# KiCad board ENV_KB_RGB.kicad_pcb (continued)
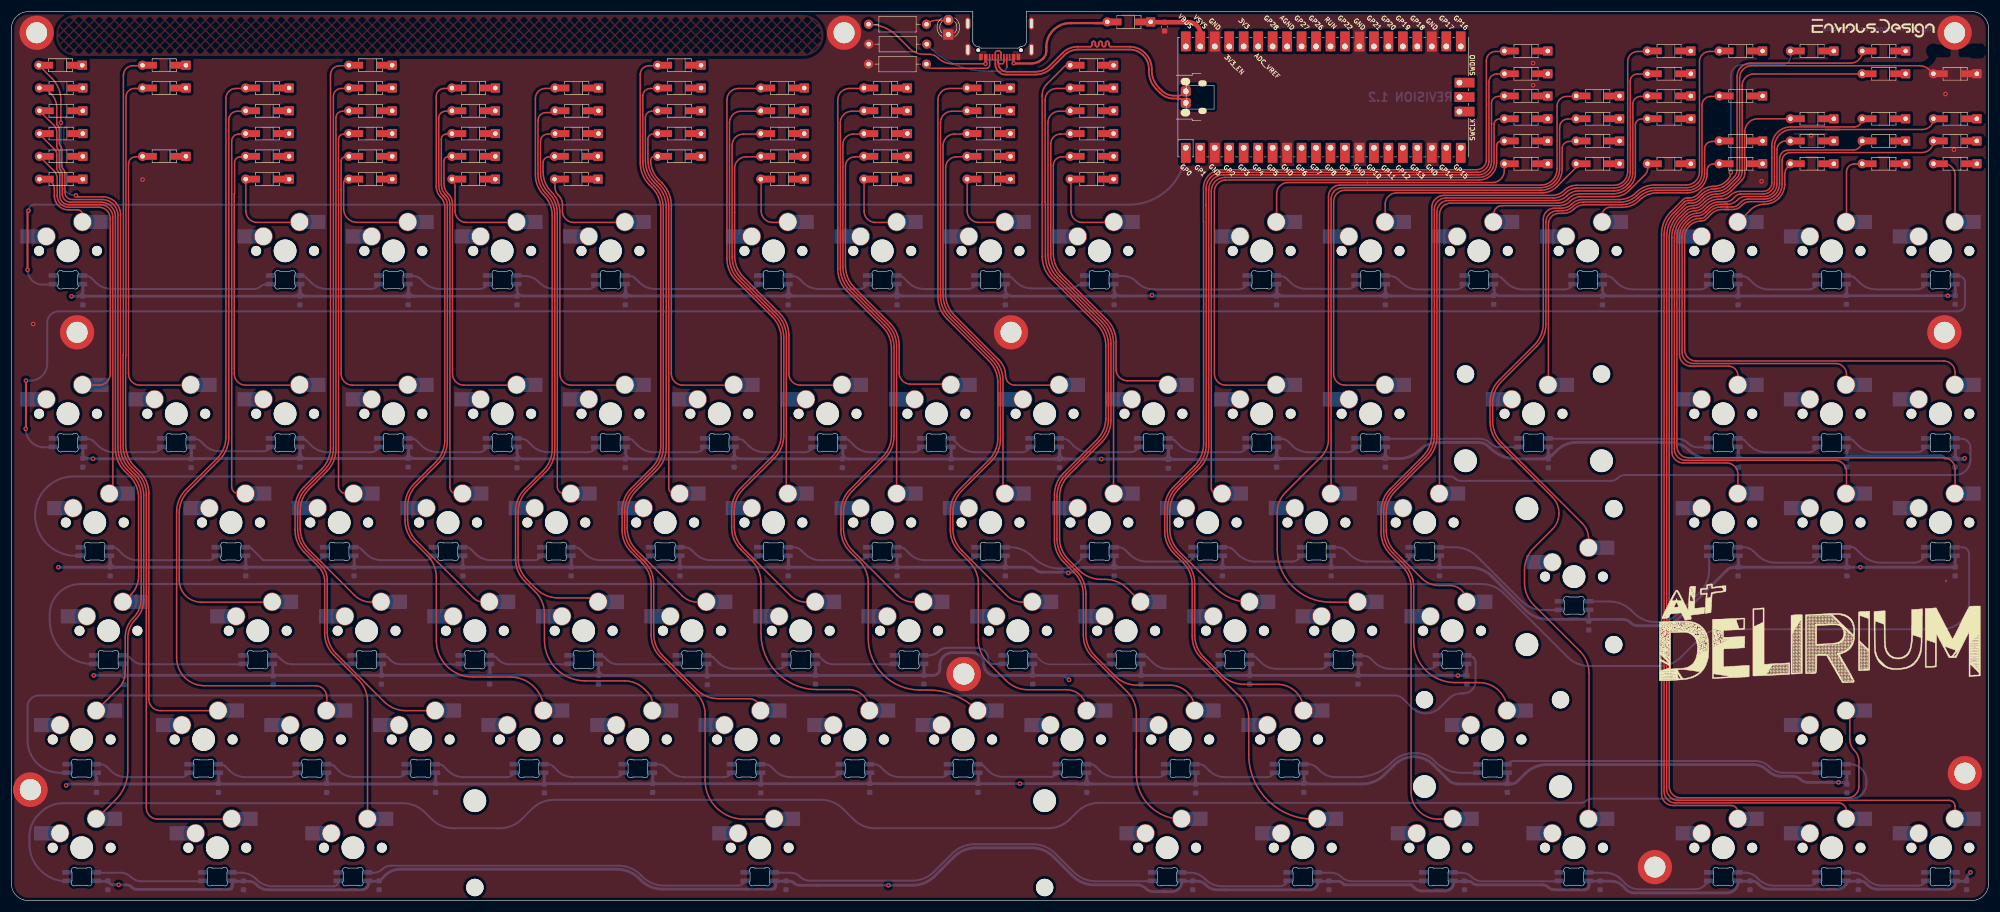
[diagram p0: board, top side]
## Placement (name value [footprint] x y rotation side) (continued)
LED55  SK6812MINI-E  [MX_SK6812MINI-E_REV]  100.43 47.38 0 top
LED56  SK6812MINI-E  [MX_SK6812MINI-E_REV]  119.43 47.38 0 top
LED57  SK6812MINI-E  [MX_SK6812MINI-E_REV]  138.53 47.38 0 top
LED58  SK6812MINI-E  [MX_SK6812MINI-E_REV]  157.53 47.38 0 top
LED59  SK6812MINI-E  [MX_SK6812MINI-E_REV]  176.63 47.38 0 top
LED60  SK6812MINI-E  [MX_SK6812MINI-E_REV]  195.63 47.38 0 top
LED61  SK6812MINI-E  [MX_SK6812MINI-E_REV]  214.73 47.38 0 top
LED62  SK6812MINI-E  [MX_SK6812MINI-E_REV]  233.73 47.38 0 top
LED63  SK6812MINI-E  [MX_SK6812MINI-E_REV]  252.83 47.38 0 top
LED64  SK6812MINI-E  [MX_SK6812MINI-E_REV]  12.33 28.28 0 top
LED65  SK6812MINI-E  [MX_SK6812MINI-E_REV]  33.73 28.28 0 top
LED66  SK6812MINI-E  [MX_SK6812MINI-E_REV]  52.73 28.28 0 top
LED67  SK6812MINI-E  [MX_SK6812MINI-E_REV]  71.83 28.28 0 top
LED68  SK6812MINI-E  [MX_SK6812MINI-E_REV]  90.83 28.28 0 top
LED69  SK6812MINI-E  [MX_SK6812MINI-E_REV]  109.93 28.28 0 top
LED70  SK6812MINI-E  [MX_SK6812MINI-E_REV]  128.93 28.28 0 top
LED71  SK6812MINI-E  [MX_SK6812MINI-E_REV]  148.03 28.28 0 top
LED72  SK6812MINI-E  [MX_SK6812MINI-E_REV]  167.03 28.28 0 top
LED73  SK6812MINI-E  [MX_SK6812MINI-E_REV]  186.13 28.28 0 top
LED74  SK6812MINI-E  [MX_SK6812MINI-E_REV]  205.13 28.28 0 top
LED75  SK6812MINI-E  [MX_SK6812MINI-E_REV]  224.23 28.28 0 top
LED76  SK6812MINI-E  [MX_SK6812MINI-E_REV]  259.93 28.28 0 top
LED77  SK6812MINI-E  [MX_SK6812MINI-E_REV]  319.43 28.28 0 top
LED78  SK6812MINI-E  [MX_SK6812MINI-E_REV]  12.33 9.28 0 top
LED79  SK6812MINI-E  [MX_SK6812MINI-E_REV]  36.13 9.28 0 top
LED80  SK6812MINI-E  [MX_SK6812MINI-E_REV]  59.93 9.28 0 top
LED81  SK6812MINI-E  [MX_SK6812MINI-E_REV]  131.33 9.28 0 top
LED82  SK6812MINI-E  [MX_SK6812MINI-E_REV]  202.83 9.28 0 top
LED83  SK6812MINI-E  [MX_SK6812MINI-E_REV]  226.63 9.28 0 top
LED84  SK6812MINI-E  [MX_SK6812MINI-E_REV]  250.43 9.28 0 top
LED85  SK6812MINI-E  [MX_SK6812MINI-E_REV]  274.23 9.28 0 top
LED86  SK6812MINI-E  [MX_SK6812MINI-E_REV]  300.43 9.28 0 top
LED87  SK6812MINI-E  [MX_SK6812MINI-E_REV]  319.43 9.28 0 top
LED88  SK6812MINI-E  [MX_SK6812MINI-E_REV]  338.53 9.28 0 top
LEDRESISTOR1  5.1K Resistor 1/4w  [R_Axial_DIN0207_L6.3mm_D2.5mm_P10.16mm_Horizontal]  150.43 153.88 0 top
PowerLED0  LED 3MM  [LED_D3.0mm_FlatTop]  164.43 152.08 90 top
RESISTOR0  5.1kohm 1/4w  [R_Axial_DIN0207_L6.3mm_D2.5mm_P10.16mm_Horizontal]  160.63 150.38 180 top
RESISTOR1  5.1kohm 1/4  [R_Axial_DIN0207_L6.3mm_D2.5mm_P10.16mm_Horizontal]  150.43 146.88 0 top
RPI0  Pico  [RPi_Pico_SMD_TH]  230.23 141.08 90 top
rvs1  1n4002  [SOD-123+D_DO-35_SOD27_P7.62mm_Horizontal]  199.93 154.28 180 top
Stab1  Stabilizer  [Stabilizer_Cherry_MX_6.25u]  131.33 9.28 180 top
Stab2  Stabilizer  [Stabilizer_Cherry_MX_2u]  267.13 85.48 0 top
Stab3  Stabilizer  [Stabilizer_Cherry_MX_2u]  274.23 56.88 270 top
Stab4  Stabilizer  [Stabilizer_Cherry_MX_2u]  259.93 28.28 0 top
USB1  TYPE-C-31-M-14  [USB_C_TYPE-C-31-M-14]  173.43 150.99 180 top

## Library data of the parts
K_0-K_45 K_47-K_88 = -: LCSC: C2803348
LED1-LED88 = -: Field4: 1
LEDRESISTOR1 = -: LCSC: C17513
RESISTOR0 RESISTOR1 = -: LCSC: C25905
USB1 = -: LCSC: C165948

## Footprints (pads in the part's own frame, mm; a bottom-side part is the same pattern mirrored in y, then rotated)
C_0603_1608Metric
  rrect 0.9x0.95 smd: 1(-0.775,0) 2(0.775,0)
LED_D3.0mm_FlatTop
  rect 1.8x1.8 hole 0.9: 1(0,0)
  round 1.8 hole 0.9: 2(2.54,0)
MountingHole_2.2mm_M2_Pad
  round 6 hole 3.7: 1(0,0)
MX_SK6812MINI-E_REV
  rrect 1.6x0.82 smd far side: 1(2.6,-5.83) 2(2.6,-4.33) 3(-2.6,-4.33) 4(-2.6,-5.83)
MXOnly-1U-Hotswap-Modified
  rect 2.55x2.5 smd: (-7.085,2.54) (5.815,5.08)
  round 1.75 hole 1.75 unplated: (-5.08,0) (5.08,0)
  round 3.988 hole 3.988 unplated: (0,0)
  rect 5.5x2.5 smd far side: 1(-5.61,2.54) 2(4.34,5.08)
  round 3.25 hole 3: 1(-3.81,2.54) 2(2.54,5.08)
R_Axial_DIN0207_L6.3mm_D2.5mm_P10.16mm_Horizontal
  round 1.6 hole 0.8: 1(0,0)
  oval 1.6x1.6 hole 0.8: 2(10.16,0)
RPi_Pico_SMD_TH
  oval 1.35x1.7 smd: (-2.73,24.19) (2.73,24.19)
  oval 1.1x1.5 smd: (-2.42,21.19) (2.42,21.19)
  oval 1.7x1.7 hole 1.02: 1(-8.89,24.13) 2(-8.89,21.59) 4(-8.89,16.51) 5(-8.89,13.97) 6(-8.89,11.43) 7(-8.89,8.89) 9(-8.89,3.81) 10(-8.89,1.27) 11(-8.89,-1.27) 12(-8.89,-3.81) 14(-8.89,-8.89) 15(-8.89,-11.43) 16(-8.89,-13.97) 17(-8.89,-16.51) 19(-8.89,-21.59) 20(-8.89,-24.13) 21(8.89,-24.13) 22(8.89,-21.59) 24(8.89,-16.51) 25(8.89,-13.97) 26(8.89,-11.43) 27(8.89,-8.89) 29(8.89,-3.81) 30(8.89,-1.27) 31(8.89,1.27) 32(8.89,3.81) 34(8.89,8.89) 35(8.89,11.43) 36(8.89,13.97) 37(8.89,16.51) 39(8.89,21.59) 40(8.89,24.13) 41(-2.54,-23.9) 43(2.54,-23.9)
  rect 3.5x1.7 smd: 1(-8.89,24.13) 2(-8.89,21.59) 3(-8.89,19.05) 4(-8.89,16.51) 5(-8.89,13.97) 6(-8.89,11.43) 7(-8.89,8.89) 8(-8.89,6.35) 9(-8.89,3.81) 10(-8.89,1.27) 11(-8.89,-1.27) 12(-8.89,-3.81) 13(-8.89,-6.35) 14(-8.89,-8.89) 15(-8.89,-11.43) 16(-8.89,-13.97) 17(-8.89,-16.51) 18(-8.89,-19.05) 19(-8.89,-21.59) 20(-8.89,-24.13) 21(8.89,-24.13) 22(8.89,-21.59) 23(8.89,-19.05) 24(8.89,-16.51) 25(8.89,-13.97) 26(8.89,-11.43) 27(8.89,-8.89) 28(8.89,-6.35) 29(8.89,-3.81) 30(8.89,-1.27) 31(8.89,1.27) 32(8.89,3.81) 33(8.89,6.35) 34(8.89,8.89) 35(8.89,11.43) 36(8.89,13.97) 37(8.89,16.51) 38(8.89,19.05) 39(8.89,21.59) 40(8.89,24.13)
  rect 1.7x1.7 hole 1.02: 3(-8.89,19.05) 8(-8.89,6.35) 13(-8.89,-6.35) 18(-8.89,-19.05) 23(8.89,-19.05) 28(8.89,-6.35) 33(8.89,6.35) 38(8.89,19.05) 42(0,-23.9)
  rect 1.7x3.5 smd: 41(-2.54,-23.9) 42(0,-23.9) 43(2.54,-23.9)
  rrect 1.75x1.75 hole 1: TP2(1.016,24.125) TP3(-1.016,24.125)
SOD-123+D_DO-35_SOD27_P7.62mm_Horizontal
  rect 1.6x1.6 hole 0.8: 1(0,0)
  rect 3.5x1.2 smd: 1(0.95,0)
  rect 3x1.2 smd: 2(6.6,0)
  oval 1.6x1.6 hole 0.8: 2(7.62,0)
Stabilizer_Cherry_MX_2u
  round 3.048 hole 3.048 unplated: (-11.938,6.985) (11.938,6.985)
  round 3.988 hole 3.988 unplated: (-11.938,-8.255) (11.938,-8.255)
Stabilizer_Cherry_MX_6.25u
  round 3.048 hole 3.048 unplated: (-50,6.985) (50,6.985)
  round 3.988 hole 3.988 unplated: (-50,-8.255) (50,-8.255)
USB_C_TYPE-C-31-M-14
  oval 1.2x2.4 smd: (-5.675,1.58) (-5.675,-3.02) (5.675,1.58) (5.675,-3.02)
  round 0.65 hole 0.65 unplated: (-3.75,1.66) (3.75,1.66)
  rect 0.6x1.1 smd: A1(-3.3,2.86) A4(-2.45,2.86) A9(2.45,2.86) A12(3.3,2.86) B1(3.3,2.86) B4(2.45,2.86) B9(-2.45,2.86) B12(-3.3,2.86)
  rect 0.3x1.1 smd: A5(-1.25,2.86) A6(-0.25,2.86) A7(0.25,2.86) A8(1.25,2.86) B5(1.75,2.86) B6(0.75,2.86) B7(-0.75,2.86) B8(-1.75,2.86)
  oval 0.9x2.1 hole 0.5x1.7: S1(-5.575,1.58) S1(-5.575,-3.02) S1(5.575,1.58) S1(5.575,-3.02)

## Nets
3.3V: RPI0.36
GND: C1.2 C2.2 C3.2 C4.2 C5.2 C6.2 C7.2 C8.2 C10.2 C11.2 C12.2 C13.2 C14.2 C15.2 C16.2 C17.2 C18.2 C19.2 C20.2 C22.2 C23.2 C26.2 C27.2 C29.2 C30.2 C31.2 C32.2 C33.2 C34.2 C35.2 C36.2 C37.2 C38.2 C39.2 C40.2 C42.2 C43.2 C44.2 C45.2 C46.2 C47.2 C48.2 C49.2 C50.2 C52.2 C53.2 C54.2 C55.2 C56.2 C57.2 C59.2 C60.2 C61.2 C62.2 C64.2 C65.2 C66.2 C67.2 C68.2 C69.2 C70.2 C71.2 C72.2 C74.2 C75.2 C76.2 C77.2 C78.2 C79.2 C81.2 C82.2 C83.2 C85.2 C86.2 C87.2 C88.2 C89.2 C90.2 C91.2 C92.2 C93.2 C94.2 C95.2 C96.2 C97.2 C98.2 C99.2 C100.2 C102.2 H0.1 H1.1 H2.1 H3.1 H3#2.1 H4.1 H5.1 H6.1 H7.1 H7#2.1 H9.1 H10.1 LED1.3 LED2.3 LED3.3 LED4.3 LED5.3 LED6.3 LED7.3 LED8.3 LED9.3 LED10.3 LED11.3 LED12.3 LED13.3 LED14.3 LED15.3 LED16.3 LED17.3 LED18.3 LED19.3 LED20.3 LED21.3 LED22.3 LED23.3 LED24.3 LED25.3 LED26.3 LED27.3 LED28.3 LED29.3 LED30.3 LED31.3 LED32.3 LED33.3 LED34.3 LED35.3 LED36.3 LED37.3 LED38.3 LED39.3 LED40.3 LED41.3 LED42.3 LED43.3 LED44.3 LED45.3 LED46.3 LED47.3 LED48.3 LED49.3 LED50.3 LED51.3 LED52.3 LED53.3 LED54.3 LED55.3 LED56.3 LED57.3 LED58.3 LED59.3 LED60.3 LED61.3 LED62.3 LED63.3 LED64.3 LED65.3 LED66.3 LED67.3 LED68.3 LED69.3 LED70.3 LED71.3 LED72.3 LED73.3 LED74.3 LED75.3 LED76.3 LED77.3 LED78.3 LED79.3 LED80.3 LED81.3 LED82.3 LED83.3 LED84.3 LED85.3 LED86.3 LED87.3 LED88.3 PowerLED0.1 RESISTOR0.2 RESISTOR1.1 RPI0.3 RPI0.8 RPI0.13 RPI0.18 RPI0.23 RPI0.28 RPI0.38 USB1.A1 USB1.A12 USB1.B1 USB1.B12 USB1.S1
col0: K_0.1 K_16.1 K_33.1 K_50.1 K_64.1 K_78.1 RPI0.4
col1: K_17.1 K_65.1 K_79.1 RPI0.5
col2: K_1.1 K_18.1 K_34.1 K_51.1 K_66.1 RPI0.6
col3: K_2.1 K_19.1 K_35.1 K_52.1 K_67.1 K_80.1 RPI0.7
col4: K_3.1 K_20.1 K_36.1 K_53.1 K_68.1 RPI0.9
col5: K_4.1 K_21.1 K_37.1 K_54.1 K_69.1 RPI0.10
col6: K_22.1 K_38.1 K_55.1 K_70.1 K_81.1 RPI0.11
col7: K_5.1 K_23.1 K_39.1 K_56.1 K_71.1 RPI0.12
col8: K_6.1 K_24.1 K_40.1 K_57.1 K_72.1 RPI0.14
col9: K_7.1 K_25.1 K_41.1 K_58.1 K_73.1 RPI0.15
col10: K_8.1 K_26.1 K_42.1 K_59.1 K_74.1 K_82.1 RPI0.16
col11: K_9.1 K_27.1 K_43.1 K_60.1 K_75.1 K_83.1 RPI0.17
col12: K_10.1 K_28.1 K_44.1 K_61.1 RPI0.19
col13: K_11.1 K_45.1 K_62.1 K_76.1 K_84.1 RPI0.20
col14: K_12.1 K_29.1 K_63.1 K_85.1 RPI0.25
col15: K_13.1 K_30.1 K_47.1 K_86.1 RPI0.24
col16: K_14.1 K_31.1 K_48.1 K_77.1 K_87.1 RPI0.22
col17: K_15.1 K_32.1 K_49.1 K_88.1 RPI0.21
LEDPIN: LED1.4 RPI0.1
Resetbtn: RPI0.30
row0: D0.1 D1.1 D2.1 D3.1 D4.1 D5.1 D6.1 D7.1 D8.1 D9.1 D10.1 D11.1 D12.1 D13.1 D14.1 D15.1 RPI0.26
row2: D16.1 D17.1 D18.1 D19.1 D20.1 D21.1 D22.1 D23.1 D24.1 D25.1 D26.1 D27.1 D28.1 D29.1 D30.1 D31.1 D32.1 RPI0.27
row3: D33.1 D34.1 D35.1 D36.1 D37.1 D38.1 D39.1 D40.1 D41.1 D42.1 D43.1 D44.1 D45.1 D47.1 D48.1 D49.1 RPI0.29
row4: D50.1 D51.1 D52.1 D53.1 D54.1 D55.1 D56.1 D57.1 D58.1 D59.1 D60.1 D61.1 D62.1 D63.1 RPI0.31
row5: D64.1 D65.1 D66.1 D67.1 D68.1 D69.1 D70.1 D71.1 D72.1 D73.1 D74.1 D75.1 D76.1 D77.1 RPI0.32
row6: D78.1 D79.1 D80.1 D81.1 D82.1 D83.1 D84.1 D85.1 D86.1 D87.1 D88.1 RPI0.34
USB2_N: RPI0.TP2 USB1.A7 USB1.B7
USB2_P: RPI0.TP3 USB1.A6 USB1.B6
USBVBUS: LEDRESISTOR1.1 rvs1.2 USB1.A4 USB1.A9 USB1.B4 USB1.B9
VSYS: C1.1 C2.1 C3.1 C4.1 C5.1 C6.1 C7.1 C8.1 C10.1 C11.1 C12.1 C13.1 C14.1 C15.1 C16.1 C17.1 C18.1 C19.1 C20.1 C22.1 C23.1 C26.1 C27.1 C29.1 C30.1 C31.1 C32.1 C33.1 C34.1 C35.1 C36.1 C37.1 C38.1 C39.1 C40.1 C42.1 C43.1 C44.1 C45.1 C46.1 C47.1 C48.1 C49.1 C50.1 C52.1 C53.1 C54.1 C55.1 C56.1 C57.1 C59.1 C60.1 C61.1 C62.1 C64.1 C65.1 C66.1 C67.1 C68.1 C69.1 C70.1 C71.1 C72.1 C74.1 C75.1 C76.1 C77.1 C78.1 C79.1 C81.1 C82.1 C83.1 C85.1 C86.1 C87.1 C88.1 C89.1 C90.1 C91.1 C92.1 C93.1 C94.1 C95.1 C96.1 C97.1 C98.1 C99.1 C100.1 C102.1 LED1.1 LED2.1 LED3.1 LED4.1 LED5.1 LED6.1 LED7.1 LED8.1 LED9.1 LED10.1 LED11.1 LED12.1 LED13.1 LED14.1 LED15.1 LED16.1 LED17.1 LED18.1 LED19.1 LED20.1 LED21.1 LED22.1 LED23.1 LED24.1 LED25.1 LED26.1 LED27.1 LED28.1 LED29.1 LED30.1 LED31.1 LED32.1 LED33.1 LED34.1 LED35.1 LED36.1 LED37.1 LED38.1 LED39.1 LED40.1 LED41.1 LED42.1 LED43.1 LED44.1 LED45.1 LED46.1 LED47.1 LED48.1 LED49.1 LED50.1 LED51.1 LED52.1 LED53.1 LED54.1 LED55.1 LED56.1 LED57.1 LED58.1 LED59.1 LED60.1 LED61.1 LED62.1 LED63.1 LED64.1 LED65.1 LED66.1 LED67.1 LED68.1 LED69.1 LED70.1 LED71.1 LED72.1 LED73.1 LED74.1 LED75.1 LED76.1 LED77.1 LED78.1 LED79.1 LED80.1 LED81.1 LED82.1 LED83.1 LED84.1 LED85.1 LED86.1 LED87.1 LED88.1 RPI0.39 rvs1.1
Net-(D0-Pad2): D0.2 K_0.2
Net-(D1-Pad2): D1.2 K_1.2
Net-(D2-Pad2): D2.2 K_2.2
Net-(D3-Pad2): D3.2 K_3.2
Net-(D4-Pad2): D4.2 K_4.2
Net-(D5-Pad2): D5.2 K_5.2
Net-(D6-Pad2): D6.2 K_6.2
Net-(D7-Pad2): D7.2 K_7.2
Net-(D8-Pad2): D8.2 K_8.2
Net-(D9-Pad2): D9.2 K_9.2
Net-(D10-Pad2): D10.2 K_10.2
Net-(D11-Pad2): D11.2 K_11.2
Net-(D12-Pad2): D12.2 K_12.2
Net-(D13-Pad2): D13.2 K_13.2
Net-(D14-Pad2): D14.2 K_14.2
Net-(D15-Pad2): D15.2 K_15.2
Net-(D16-Pad2): D16.2 K_16.2
Net-(D17-Pad2): D17.2 K_17.2
Net-(D18-Pad2): D18.2 K_18.2
Net-(D19-Pad2): D19.2 K_19.2
Net-(D20-Pad2): D20.2 K_20.2
Net-(D21-Pad2): D21.2 K_21.2
Net-(D22-Pad2): D22.2 K_22.2
Net-(D23-Pad2): D23.2 K_23.2
Net-(D24-Pad2): D24.2 K_24.2
Net-(D25-Pad2): D25.2 K_25.2
Net-(D26-Pad2): D26.2 K_26.2
Net-(D27-Pad2): D27.2 K_27.2
Net-(D28-Pad2): D28.2 K_28.2
Net-(D29-Pad2): D29.2 K_29.2
Net-(D30-Pad2): D30.2 K_30.2
Net-(D31-Pad2): D31.2 K_31.2
Net-(D32-Pad2): D32.2 K_32.2
Net-(D33-Pad2): D33.2 K_33.2
Net-(D34-Pad2): D34.2 K_34.2
Net-(D35-Pad2): D35.2 K_35.2
Net-(D36-Pad2): D36.2 K_36.2
Net-(D37-Pad2): D37.2 K_37.2
Net-(D38-Pad2): D38.2 K_38.2
Net-(D39-Pad2): D39.2 K_39.2
Net-(D40-Pad2): D40.2 K_40.2
Net-(D41-Pad2): D41.2 K_41.2
Net-(D42-Pad2): D42.2 K_42.2
Net-(D43-Pad2): D43.2 K_43.2
Net-(D44-Pad2): D44.2 K_44.2
Net-(D45-Pad2): D45.2 K_45.2
Net-(D47-Pad2): D47.2 K_47.2
Net-(D48-Pad2): D48.2 K_48.2
Net-(D49-Pad2): D49.2 K_49.2
Net-(D50-Pad2): D50.2 K_50.2
Net-(D51-Pad2): D51.2 K_51.2
Net-(D52-Pad2): D52.2 K_52.2
Net-(D53-Pad2): D53.2 K_53.2
Net-(D54-Pad2): D54.2 K_54.2
Net-(D55-Pad2): D55.2 K_55.2
Net-(D56-Pad2): D56.2 K_56.2
Net-(D57-Pad2): D57.2 K_57.2
Net-(D58-Pad2): D58.2 K_58.2
Net-(D59-Pad2): D59.2 K_59.2
Net-(D60-Pad2): D60.2 K_60.2
Net-(D61-Pad2): D61.2 K_61.2
Net-(D62-Pad2): D62.2 K_62.2
Net-(D63-Pad2): D63.2 K_63.2
Net-(D64-Pad2): D64.2 K_64.2
Net-(D65-Pad2): D65.2 K_65.2
Net-(D66-Pad2): D66.2 K_66.2
Net-(D67-Pad2): D67.2 K_67.2
Net-(D68-Pad2): D68.2 K_68.2
Net-(D69-Pad2): D69.2 K_69.2
Net-(D70-Pad2): D70.2 K_70.2
Net-(D71-Pad2): D71.2 K_71.2
Net-(D72-Pad2): D72.2 K_72.2
Net-(D73-Pad2): D73.2 K_73.2
Net-(D74-Pad2): D74.2 K_74.2
Net-(D75-Pad2): D75.2 K_75.2
Net-(D76-Pad2): D76.2 K_76.2
Net-(D77-Pad2): D77.2 K_77.2
Net-(D78-Pad2): D78.2 K_78.2
Net-(D79-Pad2): D79.2 K_79.2
Net-(D80-Pad2): D80.2 K_80.2
Net-(D81-Pad2): D81.2 K_81.2
Net-(D82-Pad2): D82.2 K_82.2
Net-(D83-Pad2): D83.2 K_83.2
Net-(D84-Pad2): D84.2 K_84.2
Net-(D85-Pad2): D85.2 K_85.2
Net-(D86-Pad2): D86.2 K_86.2
Net-(D87-Pad2): D87.2 K_87.2
Net-(D88-Pad2): D88.2 K_88.2
Net-(LED1-Pad2): LED1.2 LED2.4
Net-(LED2-Pad2): LED2.2 LED3.4
Net-(LED3-Pad2): LED3.2 LED4.4
Net-(LED4-Pad2): LED4.2 LED5.4
Net-(LED5-Pad2): LED5.2 LED6.4
Net-(LED6-Pad2): LED6.2 LED7.4
Net-(LED7-Pad2): LED7.2 LED8.4
Net-(LED8-Pad2): LED8.2 LED9.4
Net-(LED10-Pad2): LED10.2 LED11.4
Net-(LED10-Pad4): LED9.2 LED10.4
Net-(LED11-Pad2): LED11.2 LED12.4
Net-(LED12-Pad2): LED12.2 LED13.4
Net-(LED13-Pad2): LED13.2 LED14.4
Net-(LED14-Pad2): LED14.2 LED15.4
Net-(LED15-Pad2): LED15.2 LED16.4
Net-(LED16-Pad2): LED16.2 LED17.4
Net-(LED17-Pad2): LED17.2 LED18.4
Net-(LED18-Pad2): LED18.2 LED19.4
Net-(LED19-Pad2): LED19.2 LED20.4
Net-(LED20-Pad2): LED20.2 LED21.4
Net-(LED21-Pad2): LED21.2 LED22.4
Net-(LED22-Pad2): LED22.2 LED23.4
Net-(LED23-Pad2): LED23.2 LED24.4
Net-(LED24-Pad2): LED24.2 LED25.4
Net-(LED25-Pad2): LED25.2 LED26.4
Net-(LED26-Pad2): LED26.2 LED27.4
Net-(LED27-Pad2): LED27.2 LED28.4
Net-(LED28-Pad2): LED28.2 LED29.4
Net-(LED29-Pad2): LED29.2 LED30.4
Net-(LED30-Pad2): LED30.2 LED31.4
Net-(LED31-Pad2): LED31.2 LED32.4
Net-(LED32-Pad2): LED32.2 LED33.4
Net-(LED33-Pad2): LED33.2 LED34.4
Net-(LED34-Pad2): LED34.2 LED35.4
Net-(LED35-Pad2): LED35.2 LED36.4
Net-(LED36-Pad2): LED36.2 LED37.4
Net-(LED37-Pad2): LED37.2 LED38.4
Net-(LED38-Pad2): LED38.2 LED39.4
Net-(LED39-Pad2): LED39.2 LED40.4
Net-(LED40-Pad2): LED40.2 LED41.4
Net-(LED41-Pad2): LED41.2 LED42.4
Net-(LED42-Pad2): LED42.2 LED43.4
Net-(LED43-Pad2): LED43.2 LED44.4
Net-(LED44-Pad2): LED44.2 LED45.4
Net-(LED45-Pad2): LED45.2 LED46.4
Net-(LED46-Pad2): LED46.2 LED47.4
Net-(LED47-Pad2): LED47.2 LED48.4
Net-(LED48-Pad2): LED48.2 LED49.4
Net-(LED49-Pad2): LED49.2 LED50.4
Net-(LED50-Pad2): LED50.2 LED51.4
Net-(LED51-Pad2): LED51.2 LED52.4
Net-(LED52-Pad2): LED52.2 LED53.4
Net-(LED53-Pad2): LED53.2 LED54.4
Net-(LED54-Pad2): LED54.2 LED55.4
Net-(LED55-Pad2): LED55.2 LED56.4
Net-(LED56-Pad2): LED56.2 LED57.4
Net-(LED57-Pad2): LED57.2 LED58.4
Net-(LED58-Pad2): LED58.2 LED59.4
Net-(LED59-Pad2): LED59.2 LED60.4
Net-(LED60-Pad2): LED60.2 LED61.4
Net-(LED61-Pad2): LED61.2 LED62.4
Net-(LED62-Pad2): LED62.2 LED63.4
Net-(LED63-Pad2): LED63.2 LED64.4
Net-(LED64-Pad2): LED64.2 LED65.4
Net-(LED65-Pad2): LED65.2 LED66.4
Net-(LED66-Pad2): LED66.2 LED67.4
Net-(LED67-Pad2): LED67.2 LED68.4
Net-(LED68-Pad2): LED68.2 LED69.4
Net-(LED69-Pad2): LED69.2 LED70.4
Net-(LED70-Pad2): LED70.2 LED71.4
Net-(LED71-Pad2): LED71.2 LED72.4
Net-(LED72-Pad2): LED72.2 LED73.4
Net-(LED73-Pad2): LED73.2 LED74.4
Net-(LED74-Pad2): LED74.2 LED75.4
Net-(LED75-Pad2): LED75.2 LED76.4
Net-(LED76-Pad2): LED76.2 LED77.4
Net-(LED77-Pad2): LED77.2 LED78.4
Net-(LED78-Pad2): LED78.2 LED79.4
Net-(LED79-Pad2): LED79.2 LED80.4
Net-(LED80-Pad2): LED80.2 LED81.4
Net-(LED81-Pad2): LED81.2 LED82.4
Net-(LED82-Pad2): LED82.2 LED83.4
Net-(LED83-Pad2): LED83.2 LED84.4
Net-(LED84-Pad2): LED84.2 LED85.4
Net-(LED85-Pad2): LED85.2 LED86.4
Net-(LED86-Pad2): LED86.2 LED87.4
Net-(LED87-Pad2): LED87.2 LED88.4
Net-(LED88-Pad2): LED88.2
Net-(LEDRESISTOR1-Pad2): LEDRESISTOR1.2 PowerLED0.2
Net-(RESISTOR0-Pad1): RESISTOR0.1 USB1.A5
Net-(RESISTOR1-Pad2): RESISTOR1.2 USB1.B5

Pads without a net: RPI0 2 33 35 37 40 41 42 43; USB1 A8 B8

## Via types
v1: diameter 0.8, hole 0.4, Top to Bottom, 35 vias
v2: diameter 0.4, hole 0.2, Top to Bottom, 2 vias

## Routing (per net, layer and track width the routed paths; a pad name or vN(x,y) marks a point on that pad's centre or on a via; arc(x,y) is an arc through that point)
GND:
  vias: v1(3.82,101.25) v1(23.02,126.6) v1(267.06,147.05) v1(267.06,143.18) v1(307.16,126.3) v1(315.85,134.34) v1(339.43,141.63) v1(340.93,131.83) v2(339.53,56.15)
col0: length 320
  In2.Cu w0.25: 6.15,87.97 6.15,109.88 arc(6.25,110.39) 6.54,110.82 arc(6.82,111.25) 6.92,111.75 6.92,115.76 ; 8.53,30.81 8.53,34.01 arc(8.94,36.09) 10.12,37.85 12.11,39.84 arc(13.29,41.6) 13.7,43.68 13.7,49.46 ; 11.55,68.28 11.55,66.15 arc(11.62,65.81) 11.81,65.52 arc(12.01,65.23) 12.07,64.88 12.07,51.94 arc(12.23,51.15) 12.68,50.47 ; 9.25,30.09 9.25,24.26 arc(9.16,23.79) 8.89,23.39 arc(8.62,23) 8.53,22.52 8.53,11.76 ; 213.77,132.19 208.32,126.73 arc(206.56,125.55) 204.47,125.14 12.56,125.14 arc(11.49,124.93) 10.58,124.32 7.33,121.07 arc(6.46,119.76) 6.15,118.22 6.15,116.54 ; 6.95,87.16 6.95,83.79 arc(7.06,83.25) 7.36,82.79 arc(7.67,82.34) 7.77,81.8 7.77,74.27 arc(8.18,72.22) 9.34,70.48 10.91,68.91
col1: length 295.7
  In2.Cu w0.25: 25.2,88.76 25.2,107.27 arc(25.61,109.36) 26.79,111.12 38.77,123.1 arc(40.53,124.28) 42.61,124.69 204.69,124.69 arc(206.77,125.1) 208.54,126.28 212.25,129.99 arc(212.98,130.48) 213.85,130.66 arc(214.71,130.83) 215.45,131.32 216.31,132.19 ; 29.96,30.81 27.49,33.28 arc(26.31,35.05) 25.9,37.13 25.9,85.18 arc(25.81,85.64) 25.55,86.03 arc(25.29,86.42) 25.2,86.88 ; 30.85,29.93 30.85,14.31 arc(31.04,13.34) 31.6,12.51
col2: length 269.3
  In2.Cu w0.25: 35.5,68.14 35.5,64.78 arc(35.61,64.23) 35.92,63.76 arc(36.24,63.29) 36.35,62.73 36.35,55.22 arc(36.75,53.17) 37.92,51.43 39.49,49.87 ; 40.2,49.15 40.2,46.22 arc(40.32,45.63) 40.65,45.13 arc(40.99,44.62) 41.11,44.03 41.11,40.97 arc(41.52,38.89) 42.7,37.12 49.01,30.81 ; 44.98,88.69 44.98,113.42 arc(44.88,113.89) 44.61,114.29 arc(44.34,114.7) 44.25,115.17 ; 218.85,132.19 217.98,131.31 arc(217.32,130.87) 216.54,130.72 216.06,130.72 arc(215.73,130.65) 215.44,130.46 arc(215.16,130.27) 214.83,130.21 214.18,130.21 arc(213.24,130.02) 212.44,129.49 208.79,125.83 arc(207.02,124.65) 204.94,124.24 54.2,124.24 arc(52.12,123.83) 50.35,122.65 44.91,117.21 ; 34.72,68.91 34.72,71.55 arc(35.14,73.63) 36.32,75.4 44.36,83.44 arc(44.95,84.31) 45.15,85.34 45.15,85.82 arc(45.03,86.41) 44.7,86.91
col3: length 280.8
  In2.Cu w0.25: 221.39,132.19 220.52,131.31 arc(219.86,130.87) 219.08,130.72 218.6,130.72 arc(218.27,130.65) 217.99,130.46 arc(217.7,130.27) 217.37,130.21 216.57,130.21 arc(216.23,130.14) 215.95,129.95 arc(215.67,129.77) 215.34,129.7 214.56,129.7 arc(213.5,129.49) 212.6,128.89 209.1,125.38 arc(207.33,124.2) 205.25,123.79 69.26,123.79 arc(67.18,123.38) 65.42,122.2 64.55,121.33 arc(63.62,119.94) 63.3,118.31 63.3,116.54 ; 63.3,89.38 63.3,111 arc(63.4,111.51) 63.69,111.94 arc(63.97,112.37) 64.07,112.88 64.07,115.76 ; 54.35,68.34 54.35,65.57 arc(54.49,64.89) 54.87,64.31 arc(55.26,63.73) 55.4,63.04 55.4,55.22 arc(55.81,53.17) 56.97,51.43 58.54,49.87 ; 59.1,49.3 59.1,42.61 arc(59.51,40.53) 60.69,38.76 62.62,36.83 arc(62.77,36.61) 62.82,36.34 arc(62.88,36.07) 63.03,35.85 66.92,31.96 arc(67.06,31.23) 66.44,30.81 66.32,30.81 arc(64.72,30.5) 63.36,29.59 57.75,23.98 arc(56.57,22.21) 56.15,20.13 56.15,11.76 ; 53.77,68.91 53.77,79.02 arc(54.19,81.11) 55.37,82.87 59.46,86.96 arc(60.57,87.7) 61.88,87.97
col4: length 242.8
  In2.Cu w0.25: 226.47,132.19 225.74,131.45 arc(224.92,130.91) 223.96,130.72 221.14,130.72 arc(220.81,130.65) 220.52,130.46 arc(220.24,130.27) 219.91,130.21 218.85,130.21 arc(218.52,130.14) 218.24,129.95 arc(217.96,129.77) 217.63,129.7 216.82,129.7 arc(216.49,129.63) 216.21,129.44 arc(215.93,129.26) 215.59,129.19 214.81,129.19 arc(213.75,128.98) 212.86,128.38 209.41,124.93 arc(207.64,123.75) 205.56,123.34 88.15,123.34 arc(86.07,122.93) 84.3,121.75 83.5,120.94 arc(82.65,119.67) 82.35,118.16 82.35,117.95 ; 73.67,68.06 73.67,61.76 arc(74.09,59.68) 75.27,57.91 75.99,57.19 arc(77.17,55.42) 77.59,53.34 77.59,49.87 ; 78.28,49.18 78.28,45.14 arc(78.3,44.99) 78.39,44.87 arc(78.47,44.74) 78.5,44.6 78.5,41.68 arc(78.91,39.6) 80.09,37.83 87.11,30.81 ; 72.82,68.91 arc(73.13,70.45) 74,71.75 80.3,78.05 arc(82.1,80.75) 82.73,83.93 82.73,87.04 arc(82.63,87.54) 82.35,87.97 82.35,110.93 arc(82.44,111.36) 82.68,111.73 arc(82.94,112.12) 83.03,112.58 83.03,114.89 arc(82.85,115.78) 82.35,116.54
col5: length 223.5
  In2.Cu w0.25: 101.4,115.36 101.74,115.02 arc(101.99,114.64) 102.08,114.2 102.08,88.64 ; 106.16,31.09 99.09,38.16 arc(97.91,39.93) 97.5,42.01 97.5,46.64 arc(97.39,47.21) 97.07,47.69 arc(96.75,48.17) 96.64,48.73 ; 101.4,116.54 101.4,118.14 arc(101.69,119.62) 102.53,120.87 102.97,121.32 arc(104.72,122.48) 106.78,122.89 205.87,122.89 arc(207.96,123.3) 209.72,124.48 213.11,127.87 arc(214.01,128.47) 215.06,128.68 215.85,128.68 arc(216.18,128.75) 216.46,128.94 arc(216.74,129.12) 217.07,129.19 217.88,129.19 arc(218.21,129.26) 218.49,129.44 arc(218.77,129.63) 219.11,129.7 220.17,129.7 arc(220.5,129.77) 220.78,129.95 arc(221.06,130.14) 221.39,130.21 224.99,130.21 arc(225.32,130.27) 225.61,130.46 arc(225.89,130.65) 226.22,130.72 226.7,130.72 arc(227.48,130.87) 228.14,131.31 229.01,132.19 ; 91.87,68.91 91.87,70.52 arc(92.17,72.01) 93.01,73.26 101.15,81.4 arc(102.06,82.76) 102.38,84.37 102.38,85.41 arc(102.25,86.05) 101.89,86.59 ; 96.02,50.48 94.49,52.01 arc(93.31,53.77) 92.9,55.85 92.9,65.98 arc(92.77,66.65) 92.39,67.22 91.87,67.73
col6: length 225.1
  In2.Cu w0.25: 119.75,88.66 119.75,113.11 arc(120.17,115.19) 121.35,116.95 125.24,120.85 arc(127.01,122.03) 129.09,122.44 206.19,122.44 arc(208.27,122.85) 210.03,124.03 213.37,127.37 arc(214.26,127.96) 215.32,128.18 216.1,128.18 arc(216.43,128.24) 216.72,128.43 arc(217,128.62) 217.33,128.68 218.13,128.68 arc(218.47,128.75) 218.75,128.94 arc(219.03,129.12) 219.36,129.19 220.42,129.19 arc(220.75,129.26) 221.03,129.44 arc(221.31,129.63) 221.65,129.7 225.25,129.7 arc(225.58,129.77) 225.86,129.95 arc(226.14,130.14) 226.47,130.21 227.53,130.21 arc(227.86,130.27) 228.14,130.46 arc(228.43,130.65) 228.76,130.72 229.24,130.72 arc(230.02,130.87) 230.68,131.31 231.55,132.19 ; 121,87.41 121,85.33 arc(120.62,83.41) 119.53,81.78 112.43,74.69 arc(111.31,73.02) 110.92,71.05 110.92,68.91 ; 125.88,30.15 125.88,25.73 arc(125.84,25.55) 125.73,25.39 arc(125.63,25.23) 125.59,25.05 125.59,15.18 arc(125.85,13.87) 126.59,12.76 ; 111.68,68.16 111.68,65.4 arc(111.79,64.83) 112.11,64.34 arc(112.43,63.86) 112.55,63.29 112.55,55.22 arc(112.96,53.17) 114.12,51.43 115.69,49.87 ; 116.65,48.9 116.65,41.63 arc(117.06,39.55) 118.24,37.78 125.21,30.81
col7: length 205.6
  In2.Cu w0.25: 135.38,49.23 135.38,45.36 arc(135.44,45.03) 135.62,44.75 arc(135.81,44.48) 135.88,44.15 135.88,41.45 arc(136.29,39.37) 137.47,37.61 144.26,30.81 ; 139.88,87.59 139.88,85.73 arc(139.53,84.02) 138.56,82.57 131.57,75.57 arc(130.39,73.81) 129.97,71.72 129.97,68.91 ; 130.75,68.14 130.75,60.83 arc(131.16,58.75) 132.34,56.99 133.14,56.19 arc(134.32,54.42) 134.74,52.34 134.74,49.87 ; 139.5,87.97 139.5,90.88 arc(139.08,92.96) 137.9,94.73 132.27,100.36 arc(131.09,102.13) 130.68,104.21 130.68,114.53 arc(130.58,114.99) 130.32,115.38 ; 234.09,132.19 233.22,131.31 arc(232.56,130.87) 231.78,130.72 231.3,130.72 arc(230.97,130.65) 230.69,130.46 arc(230.4,130.27) 230.07,130.21 229.01,130.21 arc(228.68,130.14) 228.4,129.95 arc(228.12,129.77) 227.79,129.7 226.73,129.7 arc(226.39,129.63) 226.11,129.44 arc(225.83,129.26) 225.5,129.19 221.9,129.19 arc(221.57,129.12) 221.29,128.94 arc(221.01,128.75) 220.67,128.68 219.61,128.68 arc(219.28,128.62) 219,128.43 arc(218.72,128.24) 218.39,128.18 217.58,128.18 arc(217.25,128.11) 216.97,127.92 arc(216.69,127.73) 216.36,127.67 215.57,127.67 arc(214.52,127.46) 213.62,126.86 210.35,123.58 arc(208.58,122.4) 206.5,121.99 133.71,121.99 arc(132.28,121.71) 131.07,120.89 arc(130.26,119.68) 129.97,118.25 129.97,116.54
col8: length 188.4
  In2.Cu w0.25: 159.4,87.11 159.4,85.27 arc(159.06,83.57) 158.1,82.13 150.49,74.52 arc(149.4,72.9) 149.02,70.98 149.02,69.67 ; 239.17,132.19 238.44,131.45 arc(237.62,130.91) 236.66,130.72 233.84,130.72 arc(233.51,130.65) 233.23,130.46 arc(232.94,130.27) 232.61,130.21 231.55,130.21 arc(231.22,130.14) 230.94,129.95 arc(230.66,129.77) 230.33,129.7 229.27,129.7 arc(228.93,129.63) 228.65,129.44 arc(228.37,129.26) 228.04,129.19 226.98,129.19 arc(226.65,129.12) 226.37,128.94 arc(226.09,128.75) 225.75,128.68 222.15,128.68 arc(221.82,128.62) 221.54,128.43 arc(221.26,128.24) 220.93,128.18 219.87,128.18 arc(219.54,128.11) 219.25,127.92 arc(218.97,127.73) 218.64,127.67 217.84,127.67 arc(217.5,127.6) 217.22,127.41 arc(216.94,127.23) 216.61,127.16 215.83,127.16 arc(214.77,126.95) 213.87,126.35 210.66,123.13 arc(208.89,121.95) 206.81,121.54 170.02,121.54 arc(165.55,120.65) 161.77,118.12 arc(160.01,116.95) 157.95,116.54 149.02,116.54 ; 153.79,49.87 151.29,52.36 arc(150.11,54.12) 149.7,56.2 149.7,66.25 arc(149.61,66.69) 149.36,67.07 arc(149.11,67.44) 149.02,67.89 ; 154.3,49.35 154.3,45.74 arc(154.37,45.38) 154.58,45.08 arc(154.78,44.78) 154.85,44.42 154.85,41.53 arc(155.26,39.45) 156.44,37.68 163.31,30.81 ; 158.55,87.97 158.55,91.13 arc(158.13,93.21) 156.95,94.98 151.47,100.46 arc(150.29,102.23) 149.88,104.31 149.88,113.65 arc(149.76,114.21) 149.45,114.68 149.02,115.11
col9: length 175.7
  In2.Cu w0.25: 241.71,132.19 240.84,131.31 arc(240.18,130.87) 239.4,130.72 238.92,130.72 arc(238.59,130.65) 238.31,130.46 arc(238.02,130.27) 237.69,130.21 234.09,130.21 arc(233.76,130.14) 233.48,129.95 arc(233.2,129.77) 232.87,129.7 231.81,129.7 arc(231.47,129.63) 231.19,129.44 arc(230.91,129.26) 230.58,129.19 229.52,129.19 arc(229.19,129.12) 228.91,128.94 arc(228.63,128.75) 228.29,128.68 227.23,128.68 arc(226.9,128.62) 226.62,128.43 arc(226.34,128.24) 226.01,128.18 222.41,128.18 arc(222.08,128.11) 221.8,127.92 arc(221.51,127.73) 221.18,127.67 220.12,127.67 arc(219.79,127.6) 219.51,127.41 arc(219.23,127.23) 218.9,127.16 218.09,127.16 arc(217.76,127.09) 217.48,126.91 arc(217.2,126.72) 216.86,126.65 216.08,126.65 arc(215.02,126.44) 214.13,125.84 210.97,122.68 arc(209.2,121.5) 207.12,121.09 205.49,121.09 arc(203.41,120.68) 201.64,119.5 200.29,118.15 arc(198.53,116.97) 196.45,116.55 194.45,116.55 arc(192.7,116.9) 191.22,117.9 arc(189.73,118.89) 187.98,119.24 184.69,119.24 arc(182.66,118.83) 180.94,117.68 arc(179.45,116.69) 177.68,116.33 174.22,116.33 arc(173.54,116.47) 172.96,116.85 arc(172.38,117.25) 171.68,117.38 170.11,117.38 arc(169.01,117.17) 168.07,116.54 ; 172.84,49.87 172.84,53.27 arc(172.42,55.35) 171.24,57.11 170.52,57.84 arc(169.34,59.6) 168.93,61.68 168.93,68.06 ; 168.07,68.91 168.07,71.4 arc(168.49,73.48) 169.67,75.25 177.19,82.77 arc(178.05,84.05) 178.35,85.57 178.35,87.21 ; 177.6,87.97 177.6,89.8 arc(177.26,91.49) 176.3,92.93 170.02,99.21 arc(168.84,100.98) 168.43,103.06 168.43,116.19 ; 182.36,30.81 174.94,38.23 arc(173.76,40) 173.35,42.08 173.35,49.35
col10: length 178.2
  In2.Cu w0.25: 202.28,29.95 202.28,27.41 arc(201.86,25.33) 200.68,23.56 200.62,23.5 arc(199.44,21.74) 199.03,19.66 199.03,11.76 ; 196.65,87.97 196.65,83.89 arc(196.27,81.99) 195.19,80.37 189.52,74.7 arc(187.75,72.05) 187.12,68.91 ; 191.89,49.87 191.89,53.29 arc(191.47,55.37) 190.29,57.14 189.34,58.09 arc(188.16,59.85) 187.75,61.93 187.75,68.29 ; 201.41,30.81 194.02,38.21 arc(192.84,39.97) 192.43,42.05 192.43,49.33 ; 196.65,85.76 196.65,88.82 arc(196.49,89.62) 196.04,90.29 189.54,96.79 arc(188.36,98.55) 187.95,100.63 187.95,113.47 arc(187.84,114.01) 187.54,114.47 arc(187.23,114.93) 187.12,115.47 ; 244.25,132.19 243.38,131.31 arc(242.72,130.87) 241.94,130.72 241.46,130.72 arc(241.13,130.65) 240.85,130.46 arc(240.56,130.27) 240.23,130.21 239.17,130.21 arc(238.84,130.14) 238.56,129.95 arc(238.28,129.77) 237.95,129.7 234.35,129.7 arc(234.01,129.63) 233.73,129.44 arc(233.45,129.26) 233.12,129.19 232.06,129.19 arc(231.73,129.12) 231.45,128.94 arc(231.17,128.75) 230.83,128.68 229.77,128.68 arc(229.44,128.62) 229.16,128.43 arc(228.88,128.24) 228.55,128.18 227.49,128.18 arc(227.16,128.11) 226.88,127.92 arc(226.59,127.73) 226.26,127.67 222.66,127.67 arc(222.33,127.6) 222.05,127.41 arc(221.77,127.23) 221.44,127.16 220.38,127.16 arc(220.04,127.09) 219.76,126.91 arc(219.48,126.72) 219.15,126.65 218.34,126.65 arc(218.01,126.58) 217.73,126.4 arc(217.45,126.21) 217.12,126.14 216.27,126.14 arc(215.16,125.92) 214.21,125.29 211.16,122.23 arc(209.39,121.05) 207.31,120.64 205.68,120.64 arc(203.59,120.23) 201.83,119.05 200.48,117.7 arc(198.71,116.52) 196.63,116.1 193.57,116.1 arc(192.46,116.33) 191.52,116.95 191.35,117.13 arc(190.6,117.63) 189.71,117.8 189.64,117.8 arc(188.82,117.64) 188.12,117.17
